# Altium PCB Audio_Blade_Mic_Array.PcbDoc (part 1 of 4) (continued)
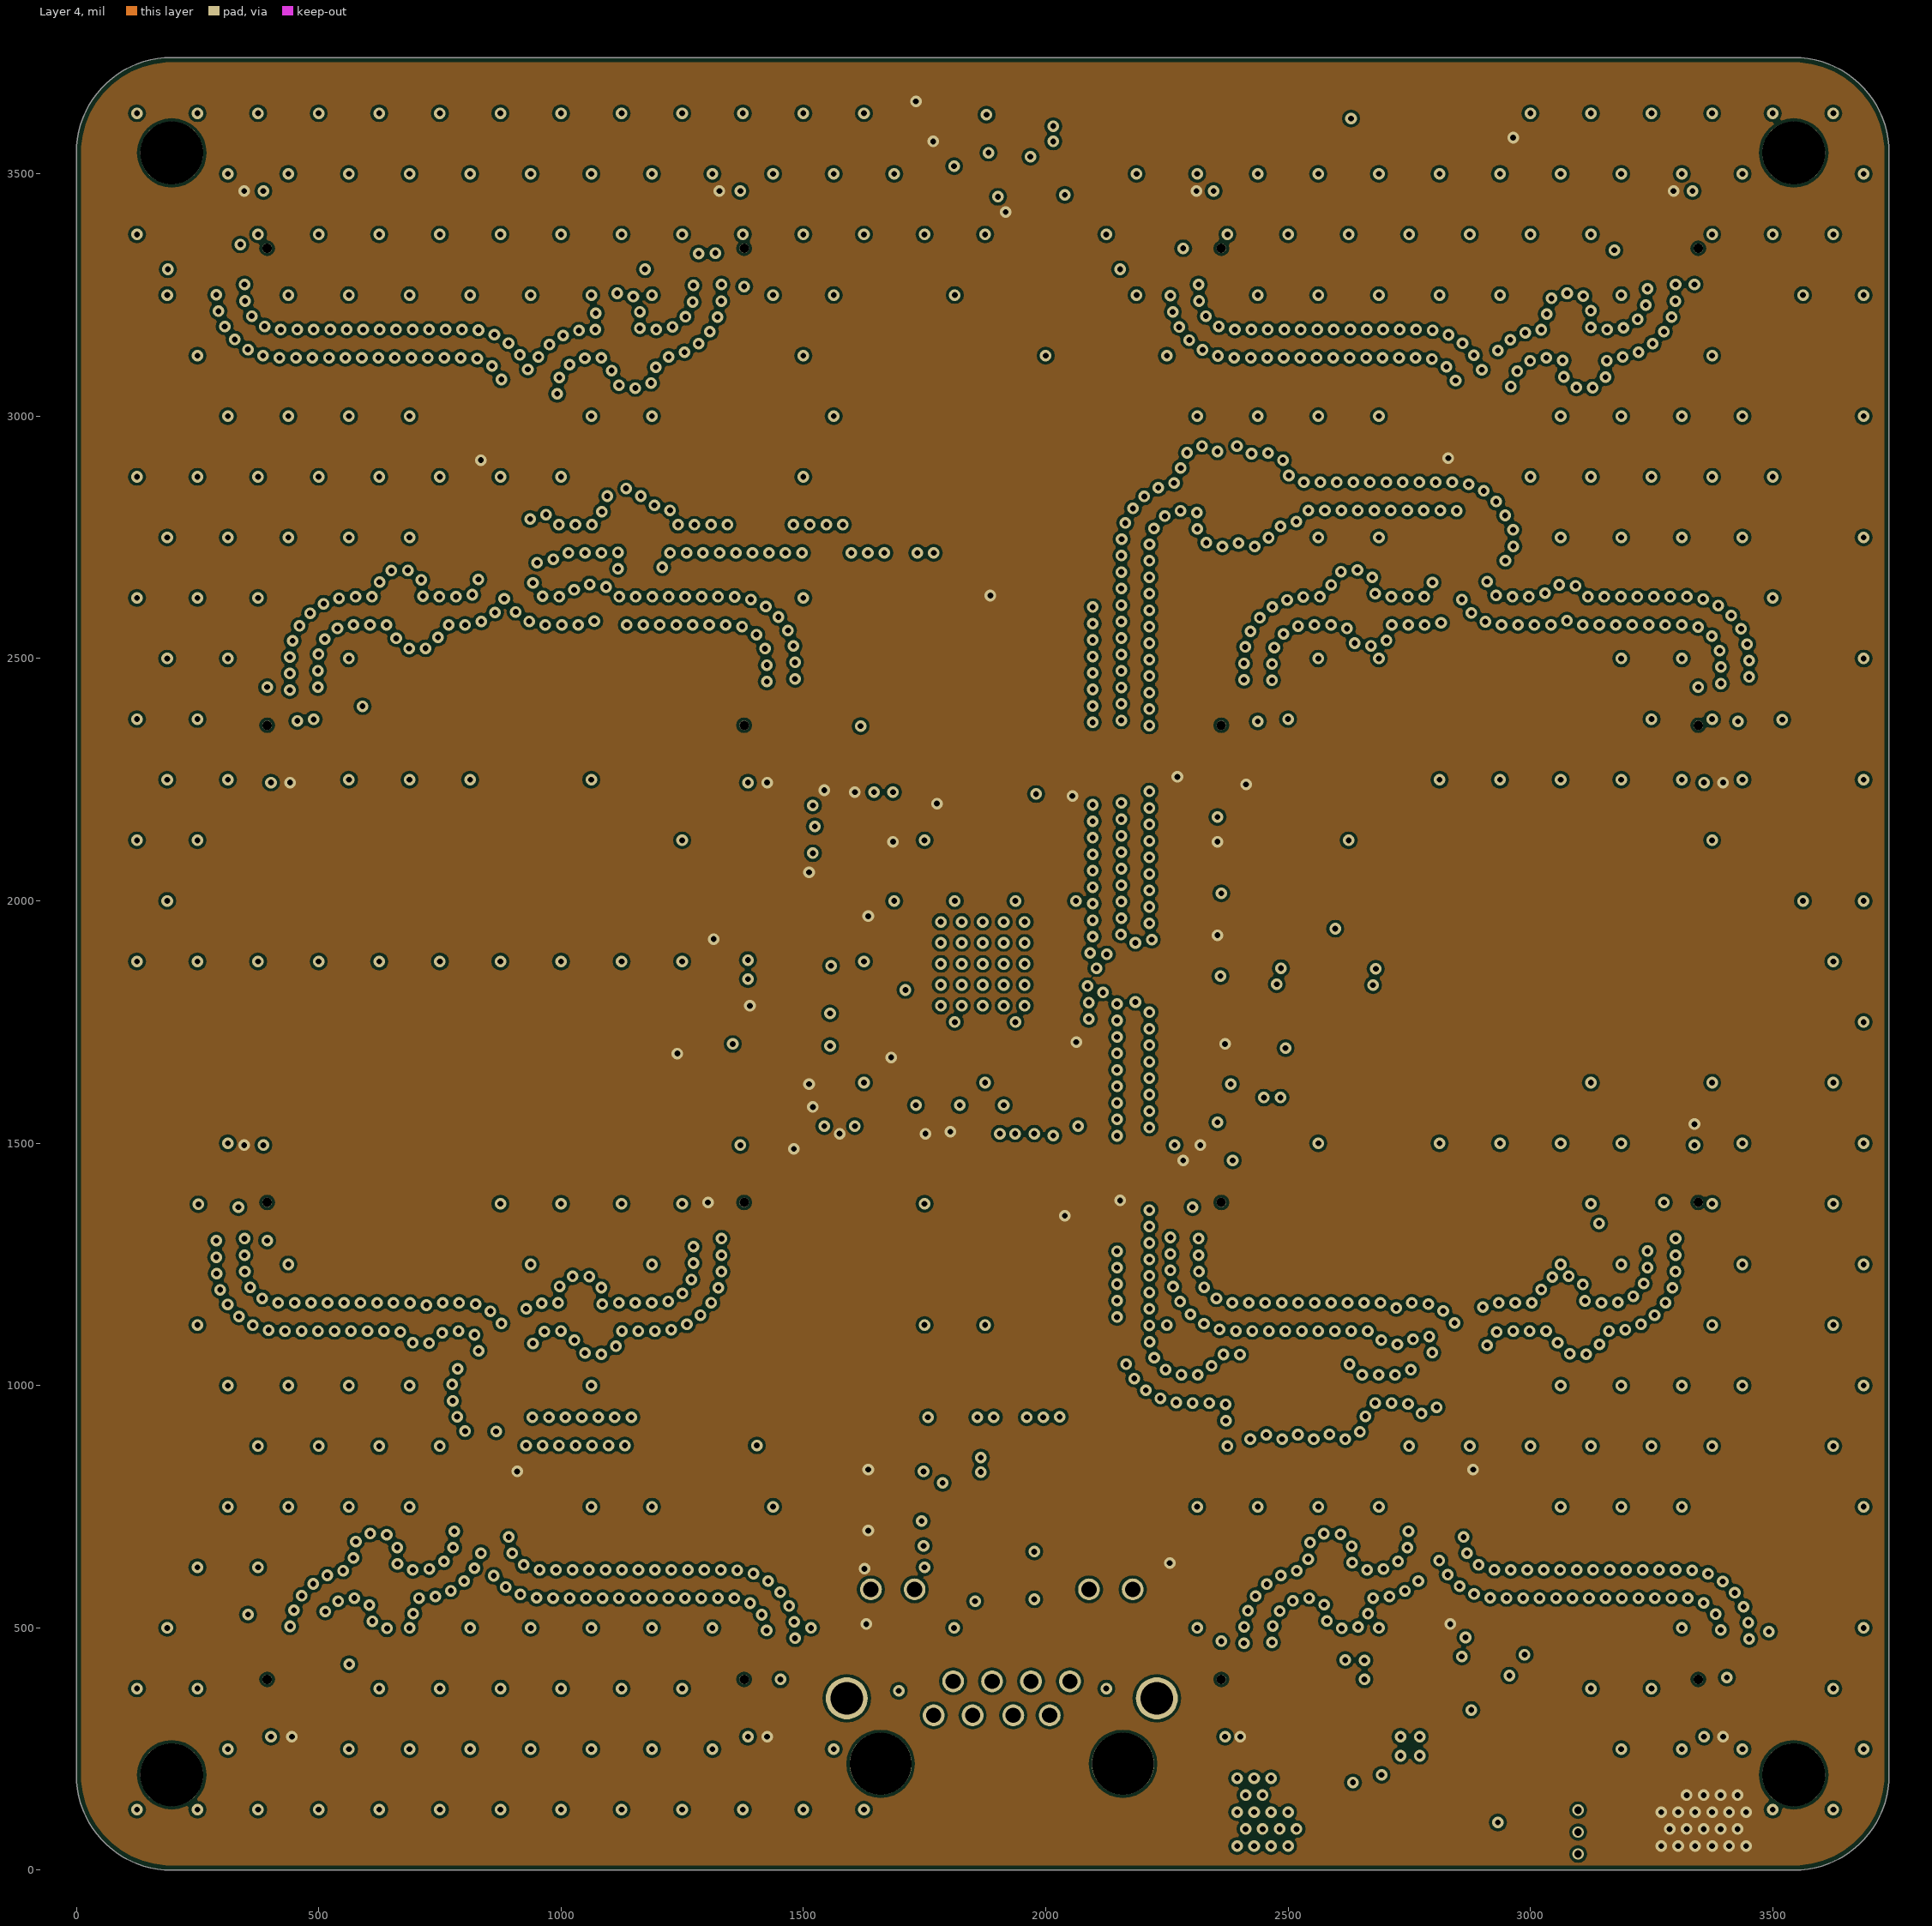
[diagram p4: Layer 4]
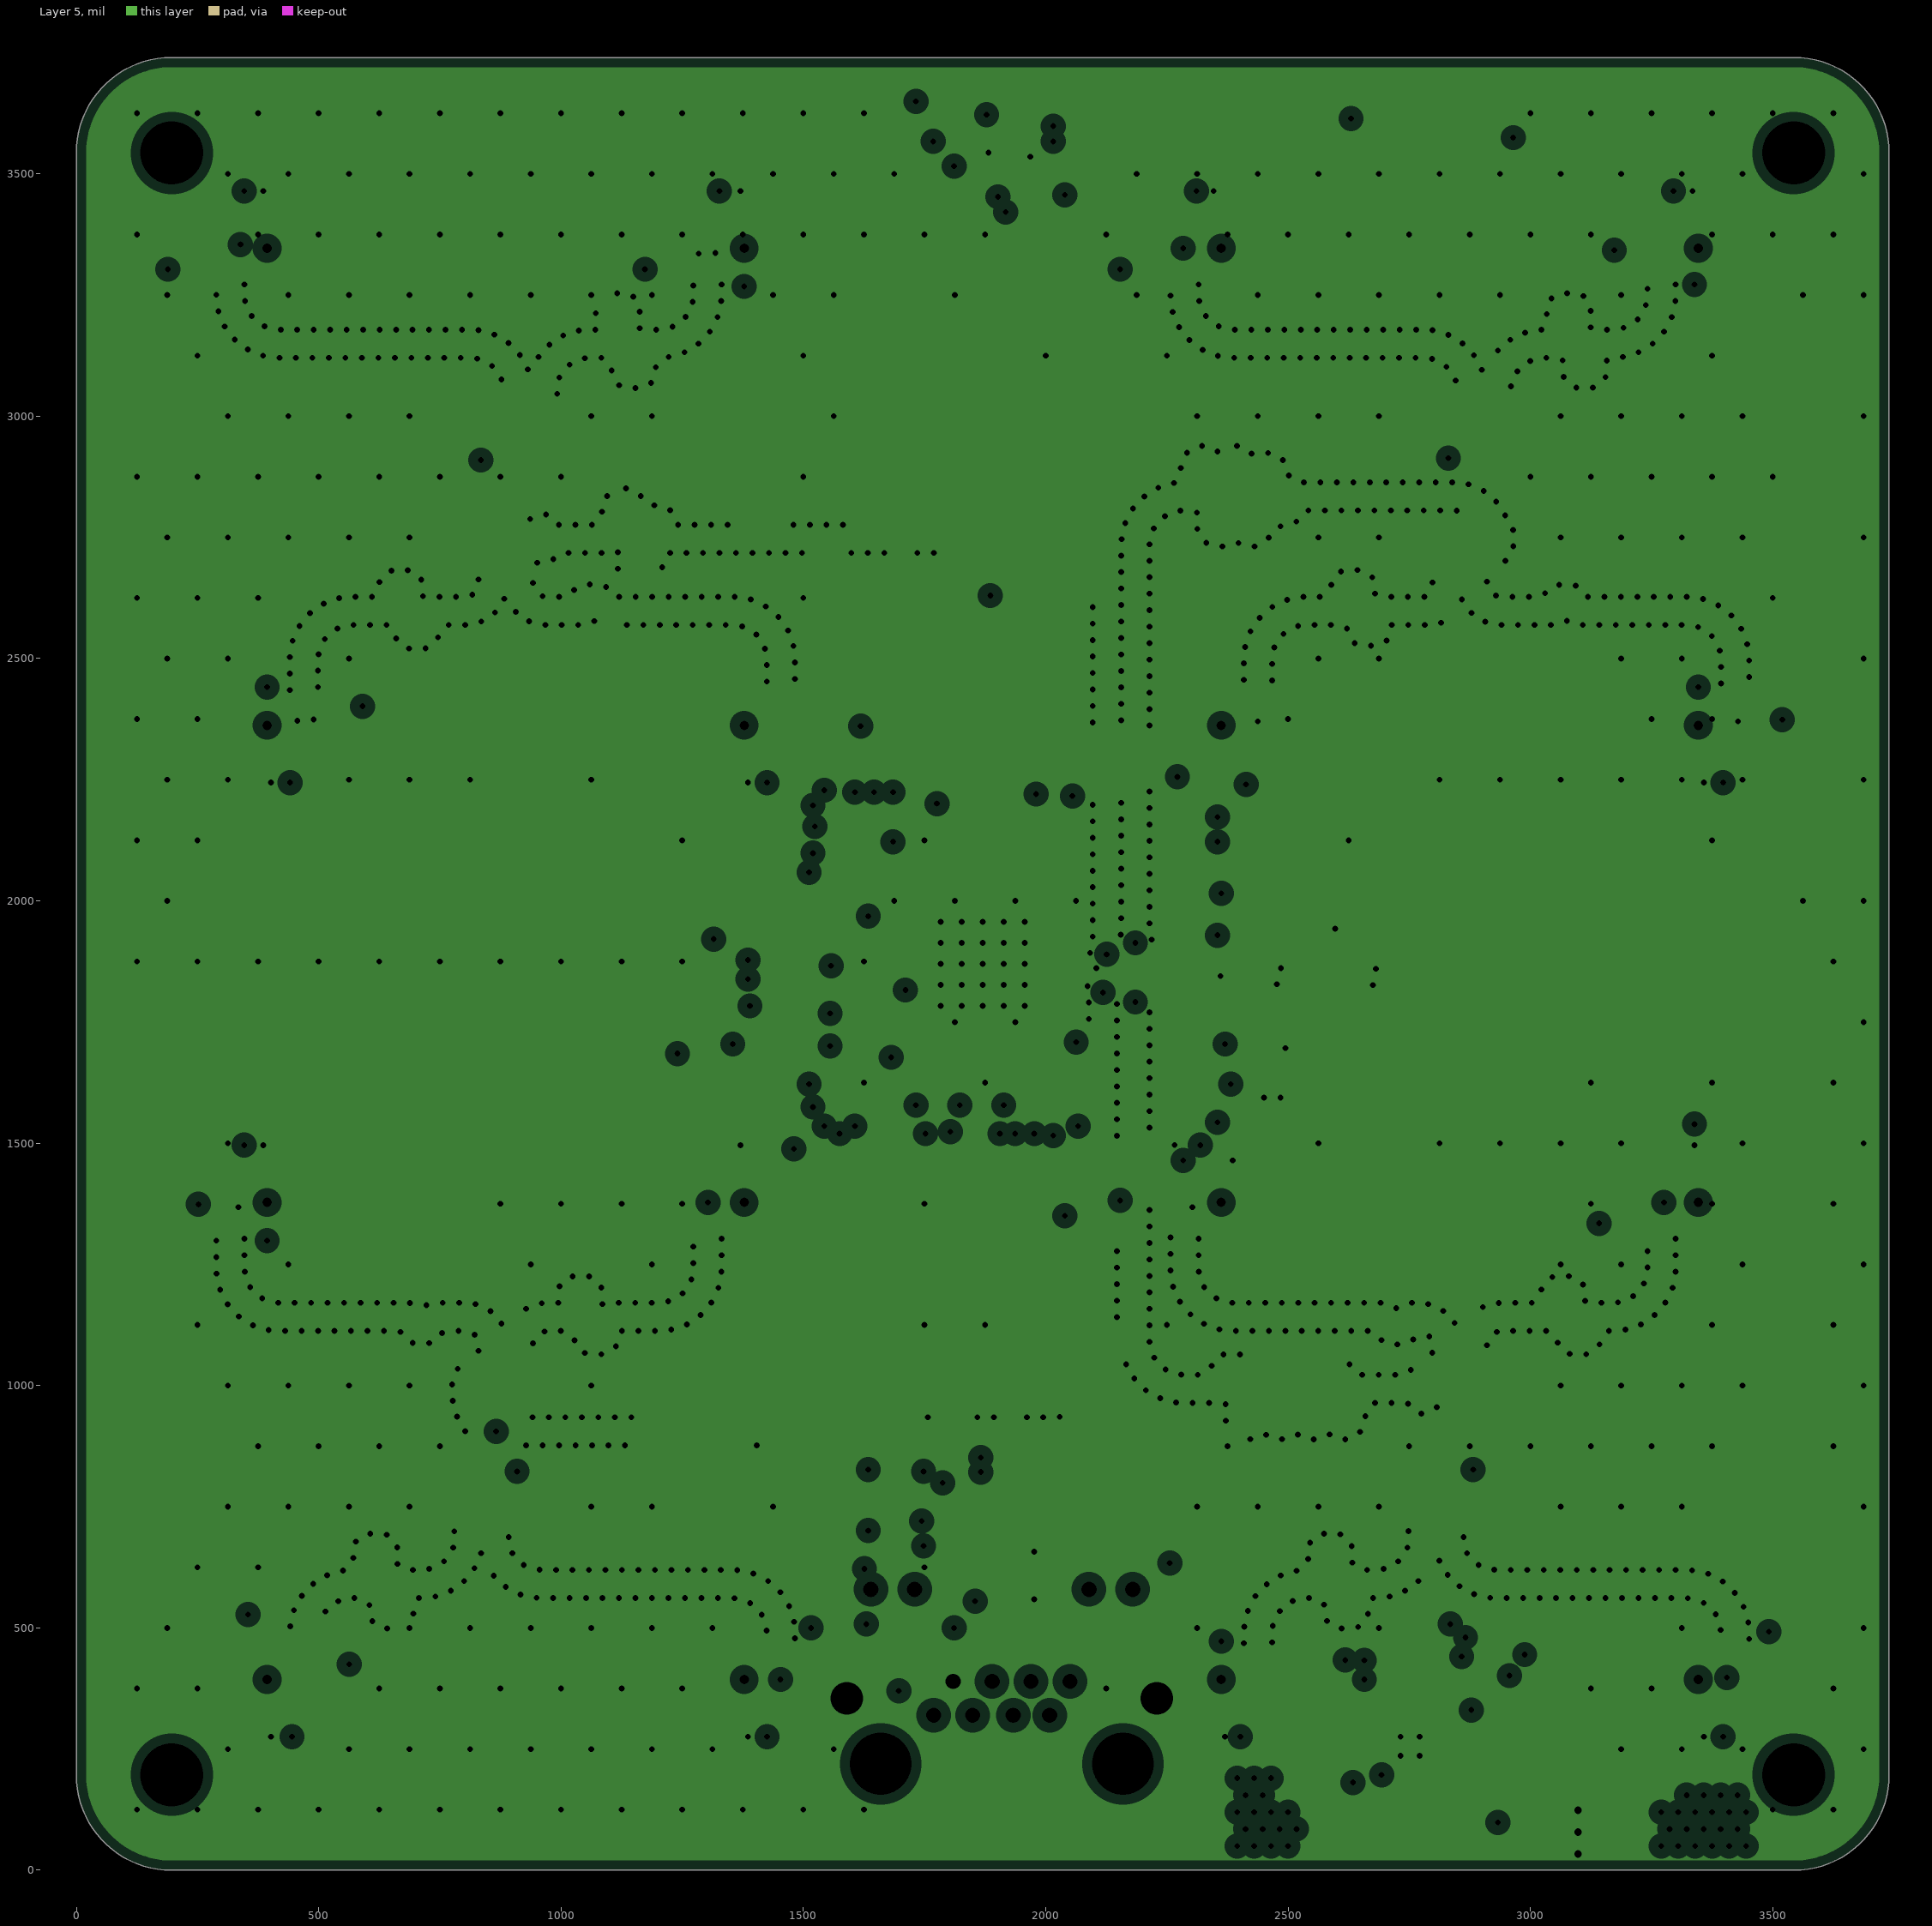
[diagram p5: Layer 5, clearances drawn from the general rule]
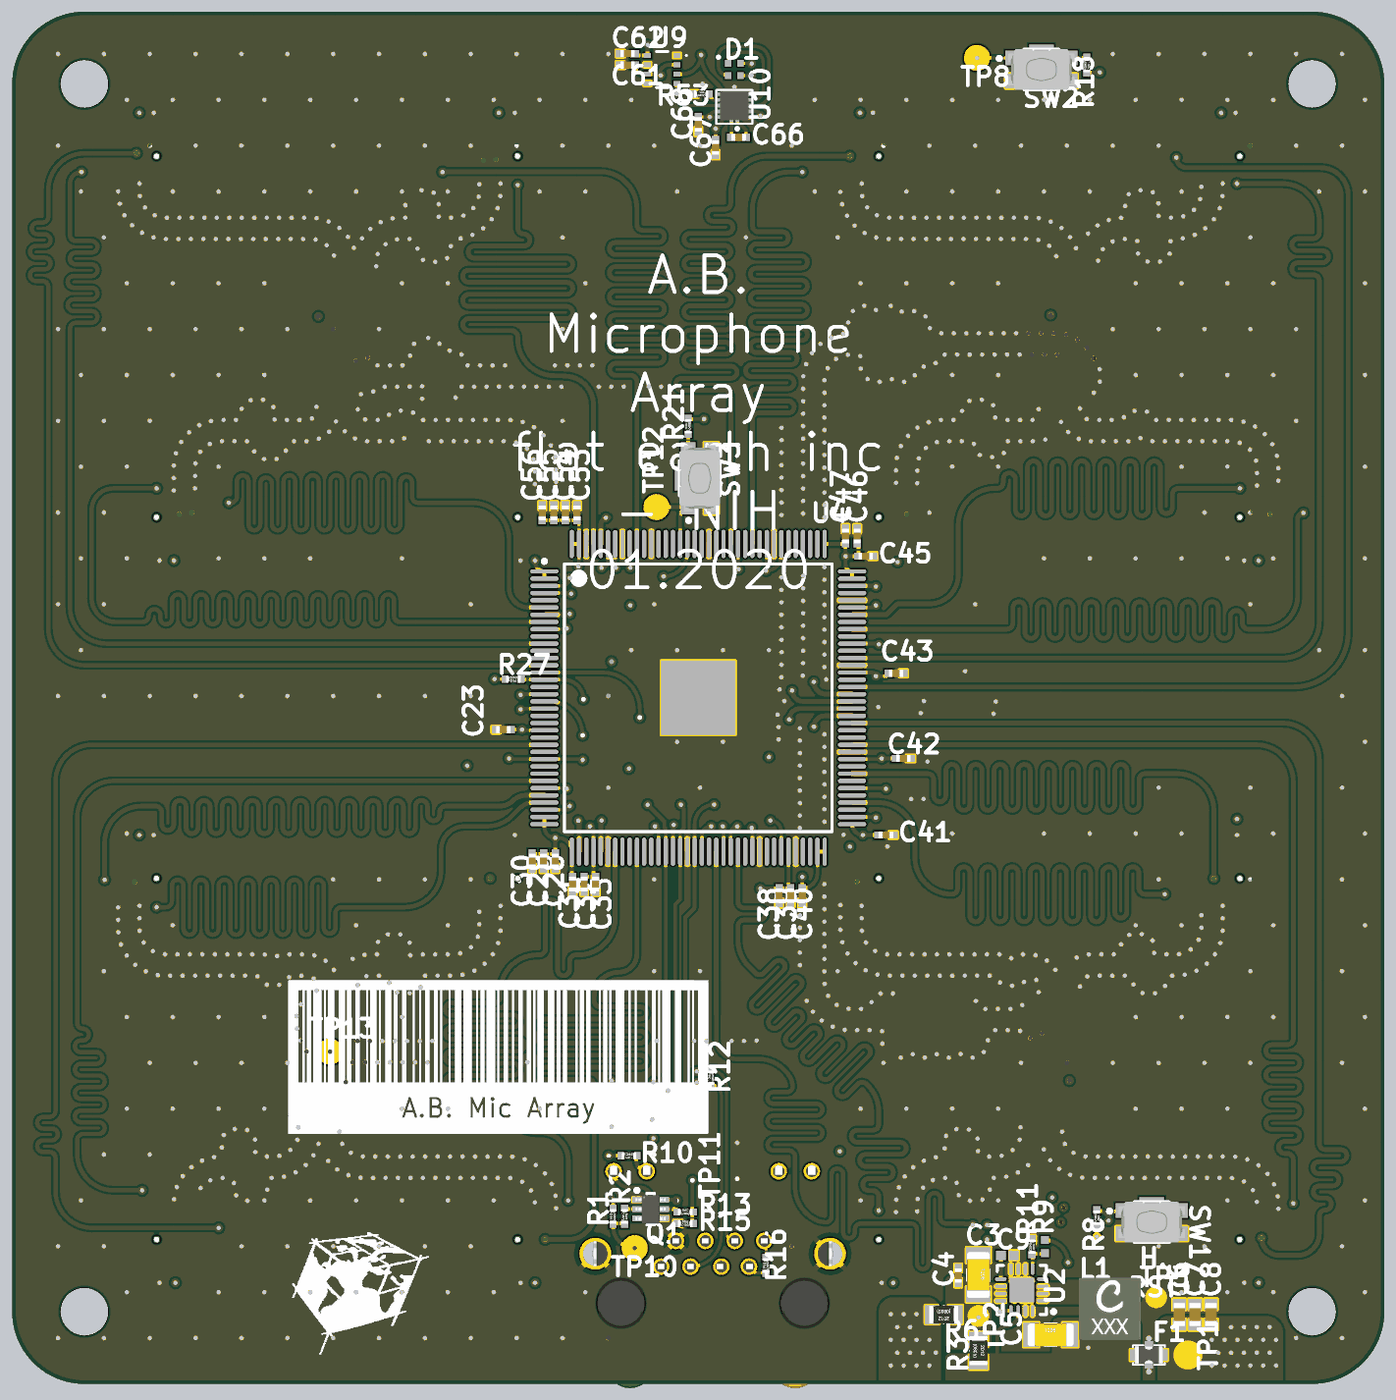
[diagram p9: 3D render of the assembled board from above, using the file's embedded part models]
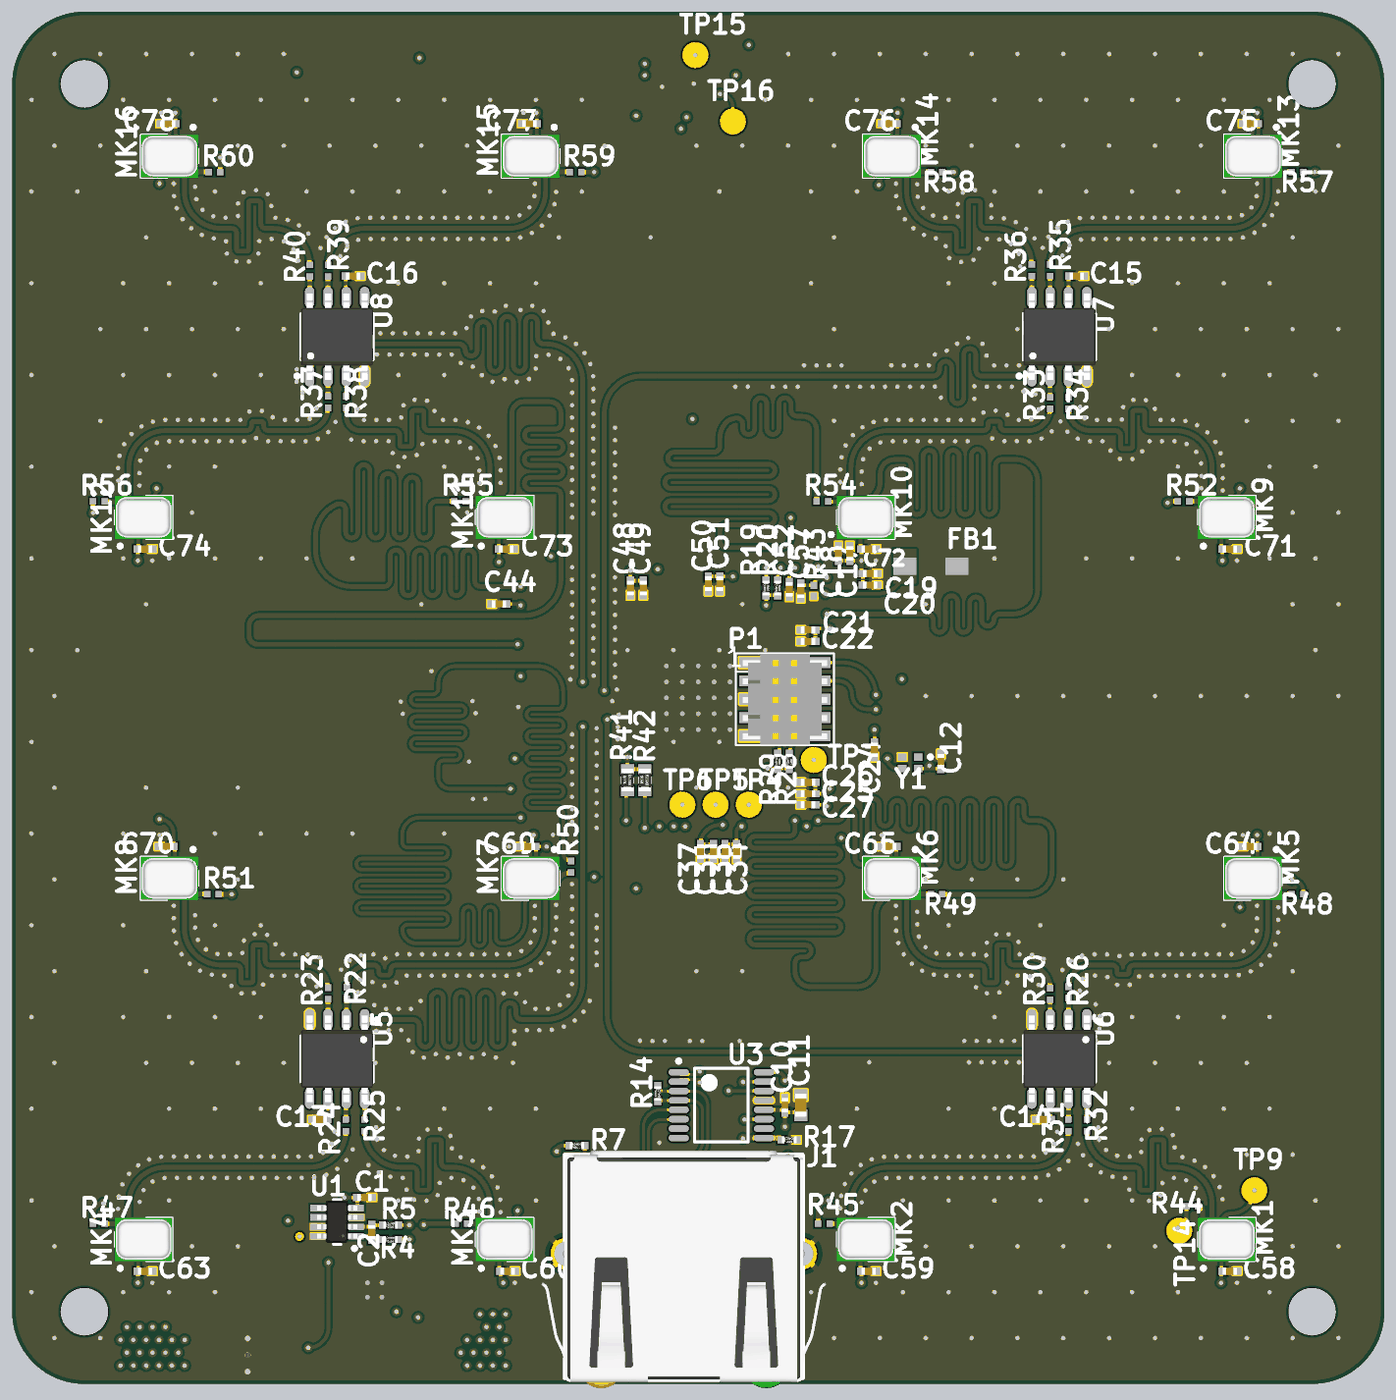
[diagram p10: 3D render of the assembled board from below, using the file's embedded part models]

## Layer stack, top to bottom
Top Solder: solder mask 0.4, Solder Resist, Dk 3.5
Top Layer: signal copper 1.4
Dielectric 1: prepreg 9, PP-016, Dk 4.09
Layer 2: plane copper 1.378, net GND
Dielectric 2: core 14, Core-032, Dk 4.42
Layer 3: signal copper 1.378
Dielectric 5: prepreg 9, PP-016, Dk 4.09
Layer 4: signal copper 1.378
Dielectric 4: core 14, Core-032, Dk 4.42
Layer 5: plane copper 1.378, net GND
Dielectric 3: prepreg 9, PP-016, Dk 4.09
Bottom Layer: signal copper 1.4
Bottom Solder: solder mask 0.4, Solder Resist, Dk 3.5

## Board outline
0,196.85 0,3543.31 cw(c196.85,3543.31) 196.85,3740.16 3543.31,3740.16 cw(c3543.31,3543.31) 3740.16,3543.31 3740.16,196.85 cw(c3543.31,196.85) 3543.31,0 196.85,0 cw(c196.85,196.85)

## Design rules (kind name [scope] priority, off if disabled: settings)
BoardOutlineClearance [All] p1: gap=10 ignorepadtopadclearanceinfootprint=FALSE except(0: Arc-SplitContinuation Track-SplitContinuation SMDPad-SplitContinuation THPad-SplitContinuation Via-SplitContinuation Fill-SplitContinuation Poly-SplitContinuation Region-SplitContinuation Text-SplitContinuation)
Clearance Clearance_1 [HasFootprint('513AA')] p1: gap=5 ignorepadtopadclearanceinfootprint=FALSE
Clearance [All] p2: gap=6 ignorepadtopadclearanceinfootprint=FALSE
DiffPairsRouting DiffPairsRouting_RJ45-SDI [InDifferentialPair('RJ45_SDI')] p1: maxlimit=6 minlimit=6 mostfreqgap=6 toplayer_minwidth=7.96 toplayer_maxwidth=7.96 toplayer_prefwidth=7.96 midlayer2_minwidth=7.96 midlayer2_maxwidth=7.96 midlayer2_prefwidth=7.96 midlayer3_minwidth=7.96 midlayer3_maxwidth=7.96 midlayer3_prefwidth=7.96 bottomlayer_minwidth=7.96 bottomlayer_maxwidth=7.96 bottomlayer_prefwidth=7.96 maxuncoupledlength=100
DiffPairsRouting DiffPairsRouting_RJ45-SCK [InDifferentialPair('RJ45_SCK')] p2: maxlimit=6 minlimit=6 mostfreqgap=6 toplayer_minwidth=7.96 toplayer_maxwidth=7.96 toplayer_prefwidth=7.96 midlayer2_minwidth=7.96 midlayer2_maxwidth=7.96 midlayer2_prefwidth=7.96 midlayer3_minwidth=7.96 midlayer3_maxwidth=7.96 midlayer3_prefwidth=7.96 bottomlayer_minwidth=7.96 bottomlayer_maxwidth=7.96 bottomlayer_prefwidth=7.96 maxuncoupledlength=100
DiffPairsRouting DiffPairsRouting_RJ45-SDO [InDifferentialPair('RJ45_SDO')] p3: maxlimit=6 minlimit=6 mostfreqgap=6 toplayer_minwidth=7.96 toplayer_maxwidth=7.96 toplayer_prefwidth=7.96 midlayer2_minwidth=7.96 midlayer2_maxwidth=7.96 midlayer2_prefwidth=7.96 midlayer3_minwidth=7.96 midlayer3_maxwidth=7.96 midlayer3_prefwidth=7.96 bottomlayer_minwidth=7.96 bottomlayer_maxwidth=7.96 bottomlayer_prefwidth=7.96 maxuncoupledlength=100
FanoutControl Fanout_BGA [IsBGA] p1: bgadir=Out bgaviamode=Centered fanoutstyle=BGA fanoutdirection=Alternating viagrid=1 // Fanout_BGA (Default Rule)
HoleSize [All] p1: absolutevalues=TRUE maxlimit=150 minlimit=1 maxpercent=80.000 minpercent=20.000
Length Length_Mic_Data [InNetClass('Mic SD')] p1: maxlimit=3350 minlimit=3100
Length Length_Mic_WS [InNetClass('Mic WS')] p2: maxlimit=3350 minlimit=3100
MatchedLengths "Schematic Matched Net Lengths_MIC_CLK_BUFFER" [InNetClass('Mic Clock Buffer')] p1: tolerance=10 checknetsindiffpair=FALSE checkdiffpairvsdiffpair=TRUE checkxsignals=TRUE checkothers=TRUE
MatchedLengths "Schematic Matched Net Lengths_MIC_CLOCKS" [InNetClass('Mic Clock')] p2: tolerance=10 checknetsindiffpair=FALSE checkdiffpairvsdiffpair=TRUE checkxsignals=TRUE checkothers=TRUE
MatchedLengths "Schematic Matched Net Lengths_MIC_SD" [InNetClass('Mic SD')] p3: tolerance=250 checknetsindiffpair=FALSE checkdiffpairvsdiffpair=TRUE checkxsignals=TRUE checkothers=TRUE
MatchedLengths "Schematic Matched Net Lengths_MIC_WS" [InNetClass('Mic WS')] p4: tolerance=250 checknetsindiffpair=FALSE checkdiffpairvsdiffpair=TRUE checkxsignals=TRUE checkothers=TRUE
MinimumSolderMaskSliver [All] p1: minsoldermaskwidth=1
PlaneClearance [All] p1: clearance=20
PlaneConnect [All] p1: pad.planeconnectstyle=Relief pad.reliefexpansion=15 pad.reliefentries=4 pad.reliefconductorwidth=20 pad.reliefairgap=15 via.planeconnectstyle=Direct via.reliefexpansion=20 via.reliefentries=4 via.reliefconductorwidth=10 via.reliefairgap=10
PolygonConnect [All] p1: thpad.connectstyle=Relief thpad.reliefconductorwidth=15 thpad.reliefentries=4 thpad.polygonreliefangle="45 Angle" thpad.airgapwidth=15 smdpad.connectstyle=Direct smdpad.reliefconductorwidth=10 smdpad.reliefentries=4 smdpad.polygonreliefangle="90 Angle" smdpad.airgapwidth=10 via.connectstyle=Direct via.reliefconductorwidth=10 via.reliefentries=4 via.polygonreliefangle="90 Angle" via.airgapwidth=10
RoutingVias [All] p1: holewidth=12 width=24 viastyle="Through Hole" minholewidth=10 minwidth=20 maxholewidth=20 maxwidth=40
SilkToSilkClearance [All] p1: silktosilkclearance=8
SilkToSolderMaskClearance [IsPad] p1: minsilkscreentomaskgap=0 clearancetoexposedcopper=TRUE
SolderMaskExpansion [All] p1: expansion=4 istentingtop=FALSE
Width Width_Mic_Clk_Buffer-Top [InNetClass('Mic Clock Buffer')and OnLayer('Top')] p1: maxlimit=12.92 minlimit=10 preferedwidth=10 toplayer_minwidth=11.85 toplayer_prefwidth=12.92 impedanceprofiledriven=TRUE impedanceprofileid={A4BC5E12-6500-413E-96E8-C0916CC7B3B1} impedanceprofilevalue=50.000000 minimp=50.000000 maximp=50.000000 favimp=50.000000
Width Width_Mic_Clk_Buffer-Bottom [InNetClass('Mic Clock Buffer')and OnLayer('Bottom')] p2: maxlimit=12.92 minlimit=10 preferedwidth=12.92 bottomlayer_minwidth=11.85 impedanceprofiledriven=TRUE impedanceprofileid={CCE7A72A-872A-48F2-896A-3A62F60F5C78} impedanceprofilevalue=50.000000 minimp=50.000000 maximp=50.000000 favimp=50.000000
Width Width_Mic_Clocks [InNetClass('Mic Clock')] p3: maxlimit=12.92 minlimit=10 preferedwidth=12.92 bottomlayer_minwidth=11.85 impedanceprofiledriven=TRUE impedanceprofileid={CCE7A72A-872A-48F2-896A-3A62F60F5C78} impedanceprofilevalue=50.000000 minimp=50.000000 maximp=50.000000 favimp=50.000000
Width Width_Mic_WS [InNetClass('Mic WS')and OnLayer('Top')] p4: maxlimit=12.92 minlimit=10 preferedwidth=10 toplayer_minwidth=11.85 toplayer_prefwidth=12.92 impedanceprofiledriven=TRUE impedanceprofileid={A4BC5E12-6500-413E-96E8-C0916CC7B3B1} impedanceprofilevalue=50.000000 minimp=50.000000 maximp=50.000000 favimp=50.000000
Width Width_Mic_WS_1 [InNetClass('Mic WS')       and OnLayer('Bottom')] p5: maxlimit=12.92 minlimit=10 preferedwidth=12.92 bottomlayer_minwidth=11.85 impedanceprofiledriven=TRUE impedanceprofileid={CCE7A72A-872A-48F2-896A-3A62F60F5C78} impedanceprofilevalue=50.000000 minimp=50.000000 maximp=50.000000 favimp=50.000000
Width Width_Mic_Data [InNetClass('Mic SD') and OnLayer('Top')] p6: maxlimit=12.92 minlimit=10 preferedwidth=10 toplayer_minwidth=11.85 toplayer_prefwidth=12.92 impedanceprofiledriven=TRUE impedanceprofileid={A4BC5E12-6500-413E-96E8-C0916CC7B3B1} impedanceprofilevalue=50.000000 minimp=50.000000 maximp=50.000000 favimp=50.000000
Width Width_Mic_Data_1 [InNetClass('Mic SD') and OnLayer('Bottom')] p7: maxlimit=12.92 minlimit=10 preferedwidth=12.92 bottomlayer_minwidth=11.85 impedanceprofiledriven=TRUE impedanceprofileid={CCE7A72A-872A-48F2-896A-3A62F60F5C78} impedanceprofilevalue=50.000000 minimp=50.000000 maximp=50.000000 favimp=50.000000
Width [All] p8: maxlimit=15 minlimit=6 preferedwidth=10
22 further rules are at their usual default settings.
